# KiCad board V5PCB_Panel.kicad_pcb (continued)
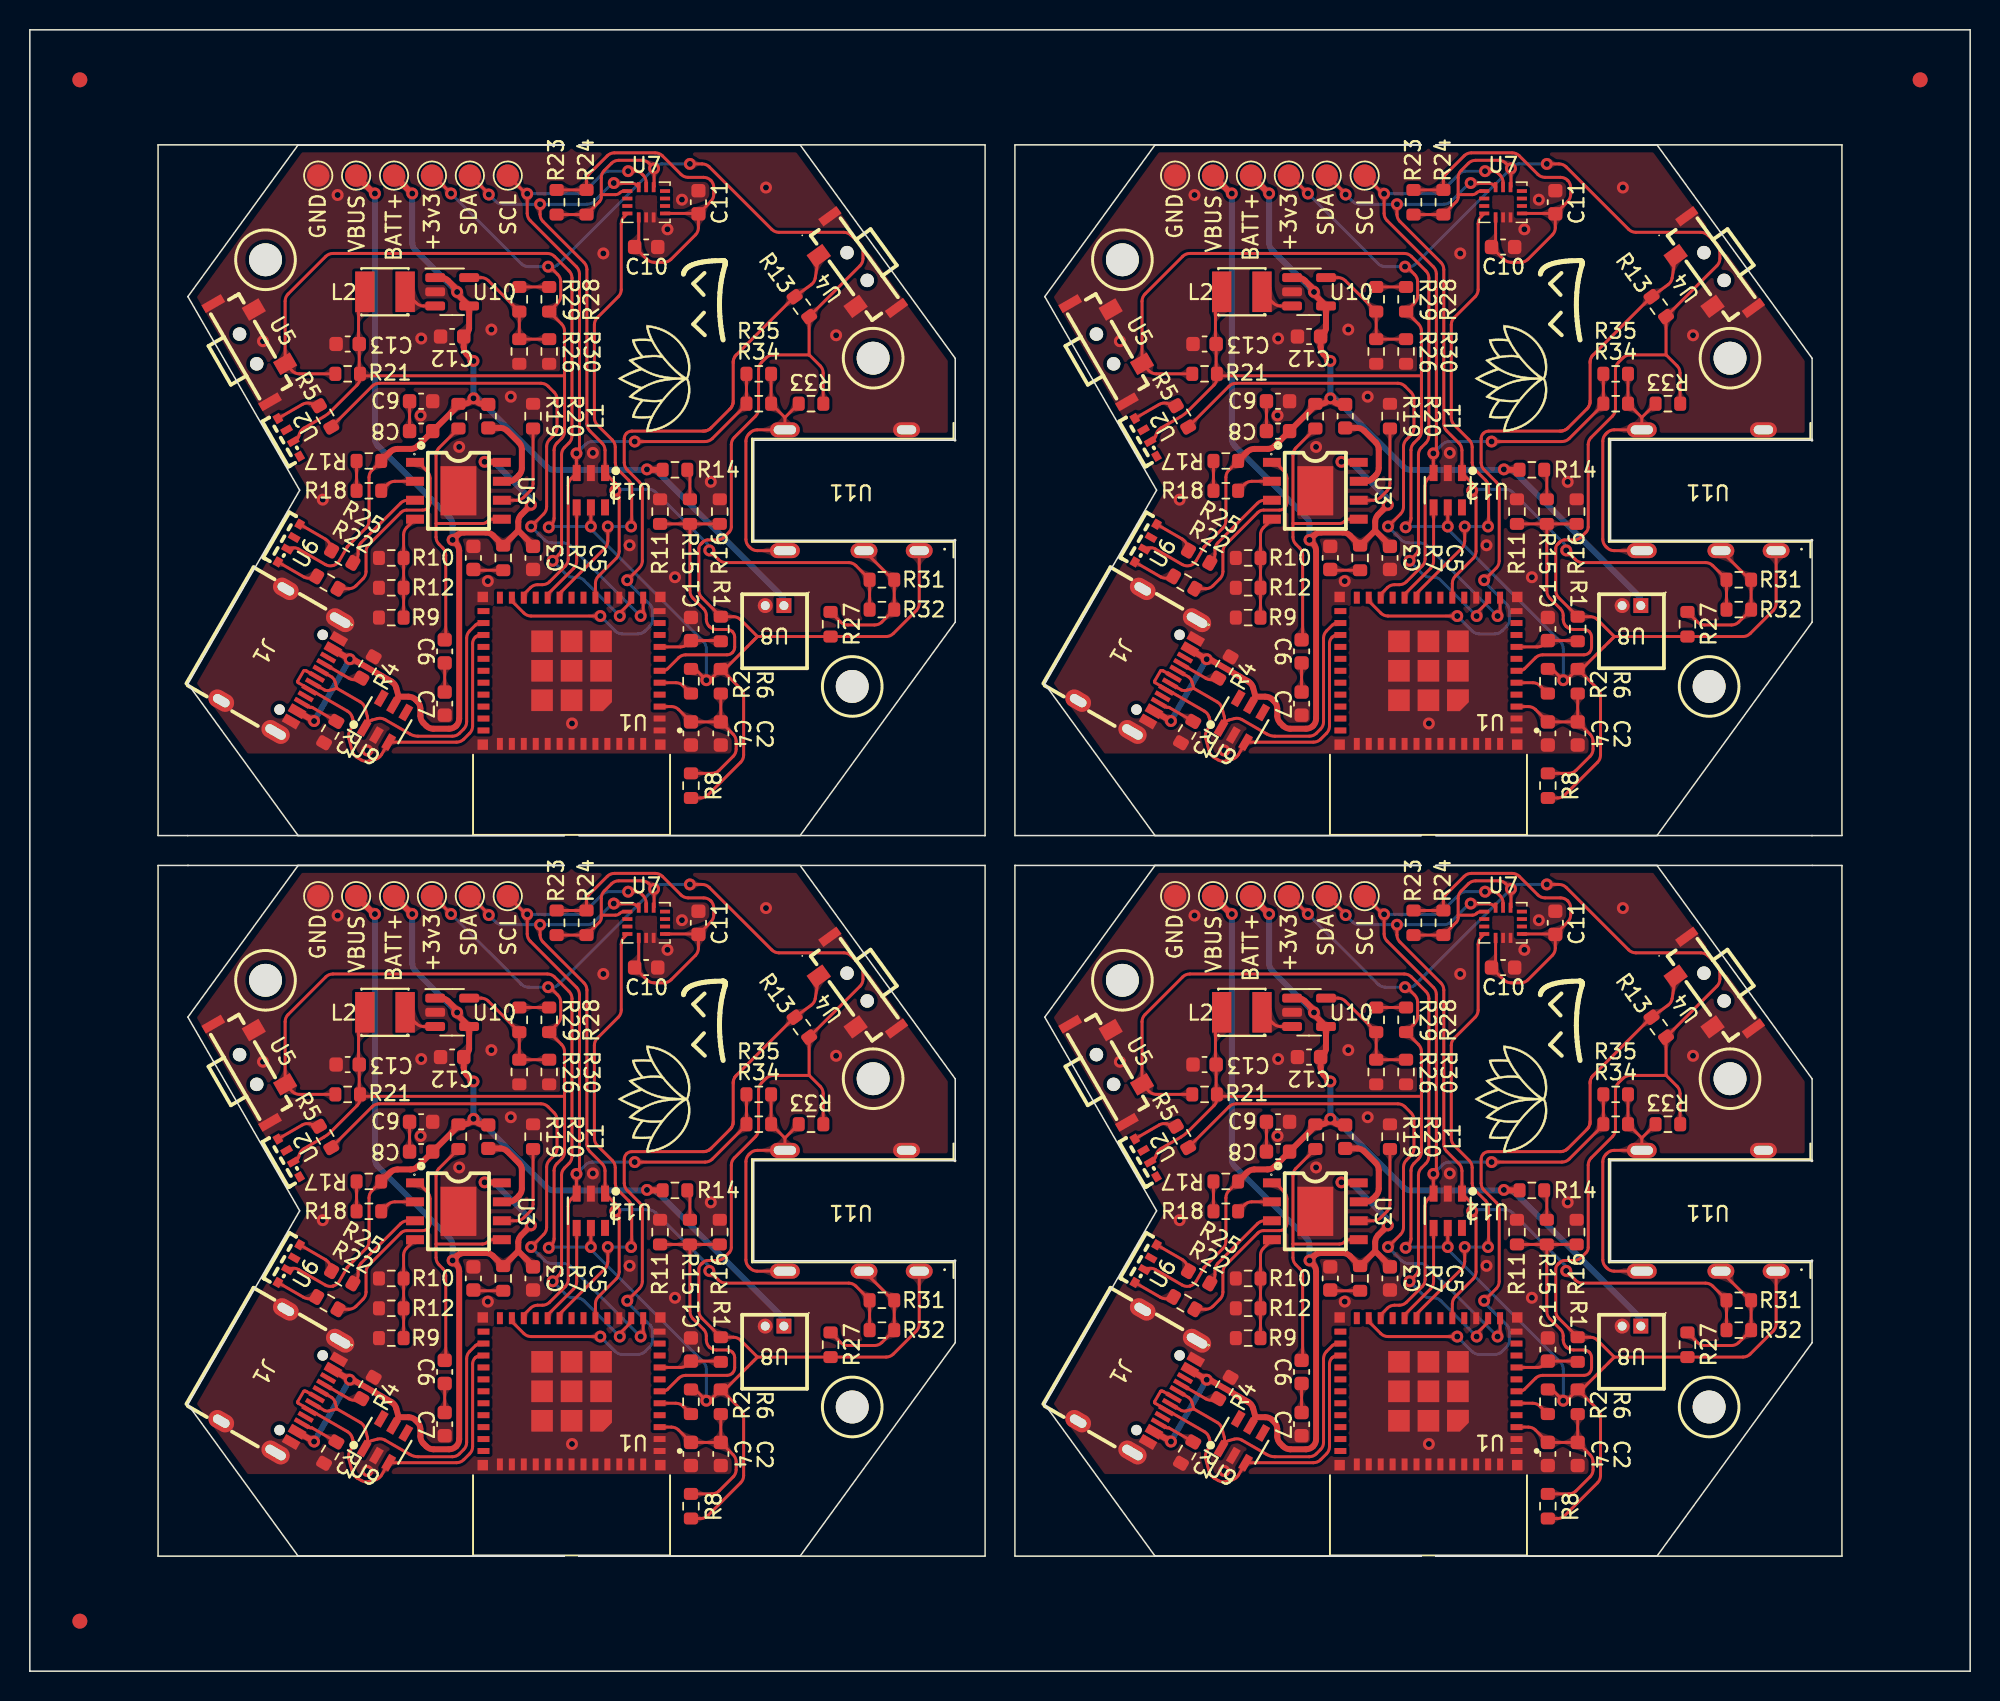
[diagram p0: board, top side]
## Routing (per net, layer and track width the routed paths; a pad name or vN(x,y) marks a point on that pad's centre or on a via; arc(x,y) is an arc through that point) (continued)
Board_3-/BMI_INT_MAIN: length 30.4
  Top w0.2: v1(97.7,28.42) 97.72,28.44 arc(97.73,28.47) 97.74,28.49 97.74,31.04 arc(97.68,31.3) 97.54,31.52 96.83,32.23 arc(96.69,32.45) 96.64,32.71 96.64,33.74 arc(96.58,34) 96.44,34.22 95.43,35.23 arc(95.29,35.45) 95.24,35.71 95.24,41.94 arc(95.29,42.2) 95.43,42.42 96.84,43.83 arc(96.98,44.05) 97.04,44.31 97.04,48.72 arc(97.09,48.98) 97.23,49.2 U7.4 ; v1(96.14,28.42) 96.14,27.45 arc(96.08,27.19) 95.94,26.97 93.01,24.04 arc(92.93,23.93) 92.91,23.8 U1.19
  Bottom w0.2: v1(96.14,28.42) v1(97.7,28.42)
Board_3-/BOOT: length 45.3
  Top w0.2: v1(97.44,24.82) 98.25,25.64 arc(98.4,25.86) 98.45,26.12 98.45,30.93 arc(98.4,31.19) 98.25,31.41 97.43,32.22 arc(97.29,32.44) 97.24,32.7 97.24,34.31 arc(97.27,34.5) 97.39,34.67 arc(97.55,34.78) 97.75,34.82 102.51,34.82 arc(102.55,34.82) 102.6,34.82 arc(102.64,34.82) 102.69,34.83 102.73,34.84 arc(102.81,34.87) 102.89,34.91 102.93,34.93 arc(102.97,34.96) 103,34.99 arc(103.03,35.02) 103.07,35.05 104.3,36.29 arc(104.34,36.32) 104.37,36.35 arc(104.4,36.39) 104.42,36.42 104.44,36.46 arc(104.48,36.54) 104.51,36.62 104.52,36.67 arc(104.53,36.71) 104.53,36.76 arc(104.54,36.8) 104.54,36.84 104.54,39.39 arc(104.54,39.44) 104.54,39.48 arc(104.54,39.53) 104.55,39.57 104.56,39.61 arc(104.59,39.7) 104.63,39.77 104.65,39.81 arc(104.68,39.85) 104.7,39.88 arc(104.73,39.92) 104.77,39.95 108.64,43.82 arc(108.64,43.82) 108.64,43.82 arc(108.64,43.83) 108.64,43.83 108.65,43.83 arc(108.65,43.83) 108.65,43.83 arc(108.65,43.83) 108.65,43.83 R13.1 109.76,44.63 arc(109.94,44.83) 110.03,45.08 U4#2.1 ; U1.23 89.71,23.54 arc(89.73,23.44) 89.79,23.35 90.51,22.62 arc(90.73,22.48) 90.99,22.42 v1(95.64,22.42)
  Bottom w0.2: v1(95.64,22.42) 96.64,21.42 arc(96.86,21.28) 97.12,21.22 98.15,21.22 arc(98.41,21.28) 98.63,21.42 98.94,21.73 arc(99.08,21.95) 99.14,22.21 99.14,22.74 arc(99.1,22.96) 99,23.16 97.47,24.68 arc(97.44,24.73) 97.44,24.77 v1(97.44,24.82)
Board_3-/CHARGED_LED: length 6.5
  Top w0.2: U3#4.3 82.73,30.18 arc(82.47,30.13) 82.25,29.99 79.6,27.34 arc(79.46,27.12) 79.41,26.86 79.41,26.58 arc(79.36,26.35) 79.23,26.16 R25.2 79.1,26.03 arc(79.13,26.07) 79.14,26.12
Board_3-/CHARGING_LED: length 12.8
  Top w0.2: R22#3.2 78.78,24.25 arc(79.04,24.31) 79.26,24.45 79.74,24.93 arc(79.88,25.15) 79.94,25.41 79.94,26.74 arc(79.99,27) 80.13,27.22 82.28,29.36 arc(82.45,29.48) 82.66,29.52 83.73,29.52 arc(83.92,29.56) 84.08,29.67 arc(84.19,29.83) 84.23,30.02 84.23,31.65 arc(84.18,31.91) 84.03,32.13 83.51,32.65 arc(83.43,32.7) 83.33,32.72 U3#4.1
Board_3-/EN: length 4.2
  Top w0.2: R1#2.2 103.68,20.76 arc(103.65,20.77) 103.62,20.78 101.99,20.78 arc(101.73,20.73) 101.51,20.58 101.48,20.55 arc(101.26,20.41) 101,20.36 U1.8
Board_3-/GPIO1: length 56.1
  Top w0.2: U1.13 97.71,23.53 arc(97.68,23.41) 97.61,23.3 arc(97.61,23.3) 97.61,23.3 96.93,22.62 arc(96.93,22.62) 96.92,22.62 96.92,22.61 arc(96.92,22.61) 96.92,22.61 96.92,22.45 arc(96.92,22.44) 96.93,22.43 v1(96.94,22.42) ; R21#4.1 75.47,38.66 arc(75.21,38.71) 74.99,38.85 74.71,39.13 arc(74.57,39.35) 74.51,39.61 74.51,43.52 arc(74.57,43.78) 74.71,44 77.24,46.53 arc(77.46,46.67) 77.72,46.72 92.09,46.72 arc(92.35,46.67) 92.57,46.53 93.54,45.56 arc(93.68,45.33) 93.74,45.07 93.74,34.51 arc(93.68,34.25) 93.54,34.03 93.23,33.72 arc(93.09,33.5) 93.04,33.24 93.04,27.01 arc(92.98,26.75) 92.84,26.53 v1(92.44,26.12)
  Bottom w0.2: v1(96.94,22.42) 94.53,24.83 arc(94.31,24.97) 94.05,25.02 93.79,25.02 arc(93.56,25.07) 93.35,25.21 v1(92.44,26.12)
Board_3-/GPIO2: length 2.4
  Top w0.2: R2#2.1 101.18,17.76 arc(100.96,17.9) 100.7,17.96 U1.5
Board_3-/SCL: length 58
  Top w0.2: U7.13 98.71,51.49 arc(98.65,51.75) 98.51,51.97 98.44,52.04 arc(98.25,52.17) 98.04,52.24 v1(97.5,52.24) ; U1.22 90.51,23.77 arc(90.53,23.87) 90.59,23.96 90.95,24.33 arc(91.17,24.47) 91.43,24.52 91.75,24.52 arc(92.01,24.58) 92.23,24.72 93.28,25.77 arc(93.43,25.99) 93.48,26.25 93.48,31.16 arc(93.54,31.42) 93.68,31.64 94.04,31.99 v1(94.04,33.32) 94.14,33.42 arc(94.21,33.54) 94.24,33.67 94.24,45.35 arc(94.18,45.61) 94.04,45.83 90.93,48.93 arc(90.79,49.15) 90.74,49.41 v1(90.74,50.72) 90.69,50.72 arc(90.65,50.73) 90.62,50.75 SCL#4.1 ; R35.1 105.42,36.61 103.13,34.32 arc(102.91,34.17) 102.65,34.12 v1(97.94,34.12)
  Bottom w0.2: v1(97.5,52.24) 96.15,52.24 arc(95.93,52.17) 95.75,52.04 94.63,50.92 arc(94.41,50.78) 94.15,50.72 v1(90.74,50.72) 90.7,50.72 arc(90.67,50.73) 90.64,50.75 89.45,51.94 ; v1(97.94,34.12) 95.11,34.12 arc(94.85,34.07) 94.63,33.92 v1(94.04,33.32)
Board_3-/SDA: length 65.4
  Top w0.2: v1(88.16,50.67) 88.16,50.69 arc(88.16,50.71) 88.15,50.73 86.95,51.92 arc(86.93,51.93) 86.92,51.94 86.9,51.94 ; 98.21,51.23 U7.14 98.08,51.3 arc(97.96,51.38) 97.83,51.42 96.57,51.42 arc(96.56,51.43) 96.55,51.43 v1(96.54,51.44) ; R32.1 R31#3.1 113.67,24.87 arc(113.67,24.88) 113.66,24.9 112.75,25.81 arc(112.53,25.95) 112.27,26.01 104.04,26.01 arc(103.78,26.06) 103.56,26.2 v1(102.94,26.82) ; v1(91.6,50.02) 91.6,49.35 arc(91.65,49.09) 91.8,48.87 94.54,46.13 arc(94.68,45.91) 94.74,45.65 94.74,35.31 arc(94.79,35.05) 94.93,34.83 95.75,34.01 arc(95.9,33.79) 95.95,33.53 U12.1 96.63,31.32 arc(96.7,31.23) 96.73,31.12 96.73,30.99 arc(96.72,30.93) 96.68,30.87 v1(96.64,30.82) 96.77,30.69 arc(96.86,30.55) 96.9,30.38 96.9,26.77 arc(96.84,26.51) 96.7,26.29 95.51,25.09 arc(95.36,24.87) 95.31,24.61 U1.16
  Bottom w0.2: v1(88.16,50.67) 88.16,50.69 arc(88.16,50.71) 88.15,50.73 86.94,51.93 86.94,51.93 arc(86.93,51.94) 86.91,51.94 SDA#6.1 ; v1(88.16,50.67) 88.14,50.64 ; v1(88.16,50.67) 88.61,50.22 arc(88.83,50.08) 89.09,50.02 94.75,50.02 arc(94.97,50.06) 95.17,50.16 96.42,51.41 arc(96.45,51.44) 96.49,51.44 v1(96.54,51.44) ; v1(102.94,26.82) 102.94,26.97 arc(102.91,27.11) 102.83,27.23 99.33,30.73 arc(99.15,30.85) 98.94,30.92 96.8,30.92 arc(96.74,30.91) 96.68,30.87 v1(96.64,30.82)
Board_3-/STATUS_LED: length 37.1
  Top w0.2: v1(91,28.42) 91.84,29.26 arc(91.98,29.48) 92.04,29.75 92.04,33.78 arc(92.09,34.04) 92.23,34.26 92.54,34.56 arc(92.68,34.78) 92.74,35.04 92.74,36.94 arc(92.68,37.2) 92.54,37.42 92.13,37.83 arc(91.91,37.97) 91.65,38.02 80.82,38.02 arc(80.56,37.97) 80.34,37.83 R5#4.2 ; U1.12 98.51,22.72 arc(98.48,22.6) 98.42,22.51 v1(98.34,22.42)
  Bottom w0.2: v1(91,28.42) 91.9,27.52 arc(92.12,27.38) 92.38,27.32 93.15,27.32 arc(93.41,27.27) 93.63,27.13 v1(98.34,22.42)
Board_3-/USB_D+: length 25.1
  Top w0.2: J1#3.B6 75.97,18.73 arc(75.95,18.74) 75.93,18.75 arc(75.9,18.76) 75.88,18.77 75.83,18.77 arc(75.81,18.77) 75.79,18.77 arc(75.77,18.76) 75.75,18.74 75.36,18.07 arc(75.35,18.04) 75.35,18.01 arc(75.37,17.98) 75.39,17.96 78.7,16.05 arc(78.9,15.87) 79.01,15.64 79.05,15.49 arc(79.07,15.22) 78.99,14.97 78.85,14.74 arc(78.77,14.49) 78.78,14.22 79.02,13.36 arc(79.13,13.12) 79.33,12.94 79.62,12.78 arc(79.87,12.69) 80.14,12.71 80.56,12.82 arc(80.8,12.94) 80.97,13.14 U9#3.3 ; U9#3.3 81.5,14.06 arc(81.57,14.13) 81.65,14.17 ; U9#3.3 86,13.97 arc(86.26,14.02) 86.48,14.17 86.88,14.57 arc(87.03,14.79) 87.08,15.05 87.08,20.59 arc(87.12,20.81) 87.24,20.99 87.26,21.01 arc(87.42,21.12) 87.61,21.16 U1.27
Board_3-/USB_D-: length 22.1
  Top w0.2: U1.26 87.61,21.96 arc(87.42,21.92) 87.26,21.81 86.88,21.43 arc(86.73,21.2) 86.68,20.94 86.68,15.33 arc(86.63,15.07) 86.48,14.85 86.2,14.57 arc(85.98,14.42) 85.72,14.37 83.42,14.37 arc(83.14,14.41) 82.88,14.51 81.21,15.48 arc(80.96,15.57) 80.69,15.55 80.34,15.45 arc(80.11,15.34) 79.94,15.15 79.88,15.05 79.96,15.17 arc(80.04,15.42) 80.02,15.69 79.87,16.25 arc(79.75,16.49) 79.56,16.67 77.98,17.58 ; 77.98,17.58 77.48,17.44 arc(77.32,17.43) 77.17,17.46 76.39,17.91 arc(76.39,17.91) J1#3.A7 ; 77.98,17.58 77.87,18 arc(77.78,18.18) 77.65,18.33 76.89,18.77 arc(76.89,18.77) 76.89,18.77 J1#3.B7
Board_3-GND:
  vias: v1(73.03,40.84) v1(77.04,30.22) v1(78.03,50.64) v1(80.02,13.41) v1(83.64,41.02) v1(83.6,35.87) v1(86.18,33.76) v1(88.1,24.77) v1(88.34,41.62) v1(89.64,37.12) v1(93.74,15.22) v1(95.14,33.36) v1(95.84,46.72) v1(97.6,27.17) v1(100.13,48.34) v1(100.64,25.02) v1(101.1,50.33) v1(103.04,31.42) v1(106.73,51.14) v1(111.43,41.24)
Board_3-Net-(C3-Pad1): length 2
  Top w0.2: R7#3.2 87.21,25.49 arc(87.18,25.5) 87.15,25.52 C3#2.1
Board_3-Net-(C6-Pad2): length 1.9
  Top w0.2: C7#4.1 C6.2
Board_3-Net-(C8-Pad2): length 2
  Top w0.2: C9#4.1 C8.2
Board_3-Net-(J1-CC1): length 2.8
  Top w0.2: R4#4.1 79.32,18.18 arc(79.05,18.16) 78.8,18.25 78.32,18.53 J1#3.A5
Board_3-Net-(J1-CC2): length 2.6
  Top w0.2: J1#3.B5 76.13,16.32 arc(76.18,16.31) 76.23,16.31 arc(76.28,16.31) 76.33,16.3 R3#3.1
Board_3-Net-(R5-Pad1): length 3
  Top w0.2: R5#4.1 76.19,36.68 arc(75.92,36.69) 75.67,36.61 U2.4
Board_3-Net-(R14-Pad2): length 2
  Top w0.2: R14#4.2 101.55,32.14 arc(101.61,32.04) 101.64,31.93 R15#2.1
Board_3-Net-(R17-Pad2): length 2
  Top w0.2: R18#3.1 R17#2.2
Board_3-Net-(R22-Pad1): length 2.9
  Top w0.2: R22#3.1 76.27,24.98 arc(76.01,24.97) 75.76,25.05 U6.1
Board_3-Net-(R25-Pad1): length 2.9
  Top w0.2: R25.1 77.53,27.17 arc(77.42,27.41) 77.22,27.58 U6.4
Board_3-Net-(R27-Pad2): length 11.3
  Top w0.2: U11.3 113.04,26.81 arc(112.81,26.76) 112.61,26.62 ; R27#4.2 111.74,22.02 arc(111.96,21.88) 112.22,21.82 114.01,21.82 arc(114.27,21.88) 114.49,22.02 R32.2 115.32,24.82 arc(115.31,24.84) 115.29,24.86 arc(115.25,24.86) 115.22,24.88 113.39,26.71 arc(113.29,26.78) 113.17,26.81 113.04,26.81 arc(112.79,26.76) 112.59,26.62
Board_3-Net-(R28-Pad2): length 2
  Top w0.2: R28.2 R29.1
Board_3-Net-(R33-Pad2): length 18.1
  Top w0.2: 108,35.73 R33#3.2 ; 108,35.73 U11.4 106.15,34.91 arc(105.89,34.85) 105.67,34.71 105.59,34.62 arc(105.44,34.4) 105.39,34.14 105.39,27.57 arc(105.44,27.31) 105.59,27.09 105.67,27 arc(105.89,26.86) 106.15,26.81 U11.5 ; 108,35.73 R34#4.2 R35.2
Board_3-Net-(U1-3V3): length 12.4
  Top w0.2: C2#3.1 104.54,14.5 arc(104.68,14.28) 104.74,14.02 104.74,13.51 arc(104.68,13.25) 104.54,13.03 103.59,12.08 arc(103.37,11.93) 103.11,11.88 R8#4.2 ; C2#3.1 R6#3.2 ; C2#3.1 C4.1 100.88,16.16 arc(100.66,16.3) 100.4,16.36 U1.3
Board_3-Net-(U3-BAT): length 19.5
  Top w0.2: 84.63,28.62 84.63,27.71 arc(84.68,27.45) 84.83,27.23 85.08,26.98 arc(85.23,26.76) 85.28,26.5 85.28,20.95 arc(85.27,20.91) 85.24,20.87 C6.1 ; 84.63,28.62 87.74,28.62 arc(87.93,28.66) 88.09,28.77 arc(88.25,28.88) 88.44,28.91 U3#4.5 ; 84.63,28.62 84.63,33.21 arc(84.68,33.47) 84.83,33.69 R20#4.2
Board_3-Net-(U3-ICHG): length 6.4
  Top w0.2: U3#4.6 90.02,30.18 arc(90.28,30.24) 90.5,30.38 90.93,30.81 arc(91.08,31.03) 91.13,31.29 R19.2
Board_3-Net-(U3-NTC): length 6.9
  Top w0.2: R9#4.2 R12#2.2 R10#3.2 82.45,27.87 arc(82.5,28.13) 82.65,28.35 U3#4.4
Board_3-Net-(U3-SW): length 6
  Top w0.4: U3#4.7 89.49,31.45 arc(89.75,31.51) 89.97,31.65 90.18,31.86 arc(90.33,32.08) 90.38,32.34 90.38,33.58 arc(90.33,33.84) 90.18,34.06 89.4,34.83 arc(89.18,34.98) 88.92,35.03 L1.1
Board_3-Net-(U3-TEST): length 2.5
  Top w0.2: R18#3.2 81.39,31.26 arc(81.61,31.4) 81.87,31.45 U3#4.2
Board_3-Net-(U7-VDD): length 26.4
  Top w0.2: U7.5 98.21,47.62 arc(98.17,47.45) 98.07,47.29 arc(98.01,47.16) 98.07,47.02 98.75,46.33 arc(98.97,46.18) 99.24,46.13 99.89,46.13 arc(100.15,46.18) 100.37,46.33 102.01,47.97 arc(102.15,48.19) 102.21,48.45 102.21,49.37 arc(102.2,49.38) 102.2,49.39 102.19,49.39 arc(102.18,49.4) 102.16,49.41 U7.8 ; C11#3.1 103.04,50.21 arc(103.18,50.43) 103.24,50.69 103.24,51.14 arc(103.18,51.4) 103.04,51.62 103.03,51.63 arc(102.81,51.77) 102.55,51.82 101.52,51.82 arc(101.26,51.88) 101.04,52.02 99.79,53.27 arc(99.57,53.41) 99.31,53.47 96.58,53.47 arc(96.32,53.41) 96.1,53.27 94.91,52.07 arc(94.76,51.85) 94.71,51.59 R24#3.2 R23#3.2 ; 97.66,47.16 C10#4.1
Board_3-Net-(U10-FB): length 8.1
  Top w0.2: R30#4.1 R26#3.1 R29.2 88.13,44.91 arc(87.91,45.05) 87.65,45.11 U10#2.5
Board_3-Net-(U10-SW): length 2.6
  Top w0.2: L2#2.1 83.31,43.4 arc(83.53,43.26) 83.79,43.21 U10#2.3 84.51,43.14 arc(84.44,43.1) 84.35,43.08
Board_3-VBUS: length 74
  Top w0.2: v1(78.85,19.53) 79.1,19.6 ; C5.1 91.13,27.13 arc(91.12,27.16) 91.1,27.18 ; v1(80.53,50.74) 80.5,50.74 arc(80.47,50.75) 80.45,50.76
  Top w0.4: 90.14,28.15 90.14,28.74 arc(90.19,29) 90.33,29.22 90.98,29.86 arc(90.98,29.87) 90.98,29.87 v1(90.98,29.88) ; 90.14,28.15 91.1,27.18 ; 90.14,28.15 R7#3.1 88.45,27.83 arc(88.23,27.97) 87.97,28.02 86.52,28.02 arc(86.26,27.97) 86.04,27.83 v1(85.74,27.52) 85.98,27.28 arc(86.13,27.06) 86.18,26.8 86.18,15.55 arc(86.13,15.29) 85.98,15.07 arc(85.76,14.92) 85.5,14.87 84.45,14.87 arc(84.19,14.92) 83.97,15.07 83.78,15.26 arc(83.63,15.48) 83.58,15.74 83.58,16.22 arc(83.53,16.48) 83.38,16.7 83.26,16.82 arc(83.04,16.97) 82.78,17.02 82.12,17.02 ; U3#4.8 89.02,32.74 arc(89,32.75) 88.98,32.76 v1(87.88,32.76) ; 82.12,17.02 81.96,17.62 arc(81.84,17.86) 81.64,18.03 79.05,19.53 arc(78.98,19.55) 78.92,19.55 v1(78.85,19.53) 77.72,20.18 ; 82.12,17.02 U9#3.5 ; v1(76.45,15.39) J1#3.A4 ; 80.45,50.76 VBUS#2.1
  Bottom w0.2: v1(80.53,50.74) 80.5,50.74 arc(80.47,50.75) 80.45,50.76
  Bottom w0.4: v1(80.53,50.74) 80.53,34.31 arc(80.58,34.05) 80.73,33.83 85.54,29.02 arc(85.68,28.8) 85.74,28.54 v1(85.74,27.52) ; v1(90.98,29.88) 90.98,30.07 arc(90.95,30.25) 90.85,30.41 88.69,32.56 arc(88.47,32.71) 88.21,32.76 v1(87.88,32.76) ; v1(78.85,19.53) v1(76.45,15.39) ; 80.45,50.76 VBUS#5.1

## Copper pours and planes (outline as drawn; the poured copper is in the pictures)
Board_0-GND on Top, Bottom: 10.59,66.17 18.08,79.14 10.59,92.12 17.98,102.29 51.61,102.29 62,87.99 62,82.49 48.5,82.49 48.5,75.79 62,75.79 62,70.3 55.6,61.5 13.98,61.5
Board_1-GND on Top, Bottom: 68,66.17 75.49,79.14 68,92.12 75.39,102.29 109.02,102.29 119.41,87.99 119.41,82.49 105.91,82.49 105.91,75.79 119.41,75.79 119.41,70.3 113.02,61.5 71.39,61.5
Board_2-GND on Top, Bottom: 10.59,17.88 18.08,30.86 10.59,43.83 17.98,54 51.61,54 62,39.7 62,34.21 48.5,34.21 48.5,27.51 62,27.51 62,22.01 55.6,13.21 13.98,13.21
Board_3-GND on Top, Bottom: 68,17.88 75.49,30.86 68,43.83 75.39,54 109.02,54 119.41,39.7 119.41,34.21 105.91,34.21 105.91,27.51 119.41,27.51 119.41,22.01 113.02,13.21 71.39,13.21

Small or netless copper shapes (teardrops, artwork), in the pictures only: 860 on Top, 200 on Bottom

## Text on the board
B.Silkscreen: Lilypad V5 | LilypadVR
User.1: V-CUT
